# KiCad board panel.kicad_pcb (continued)
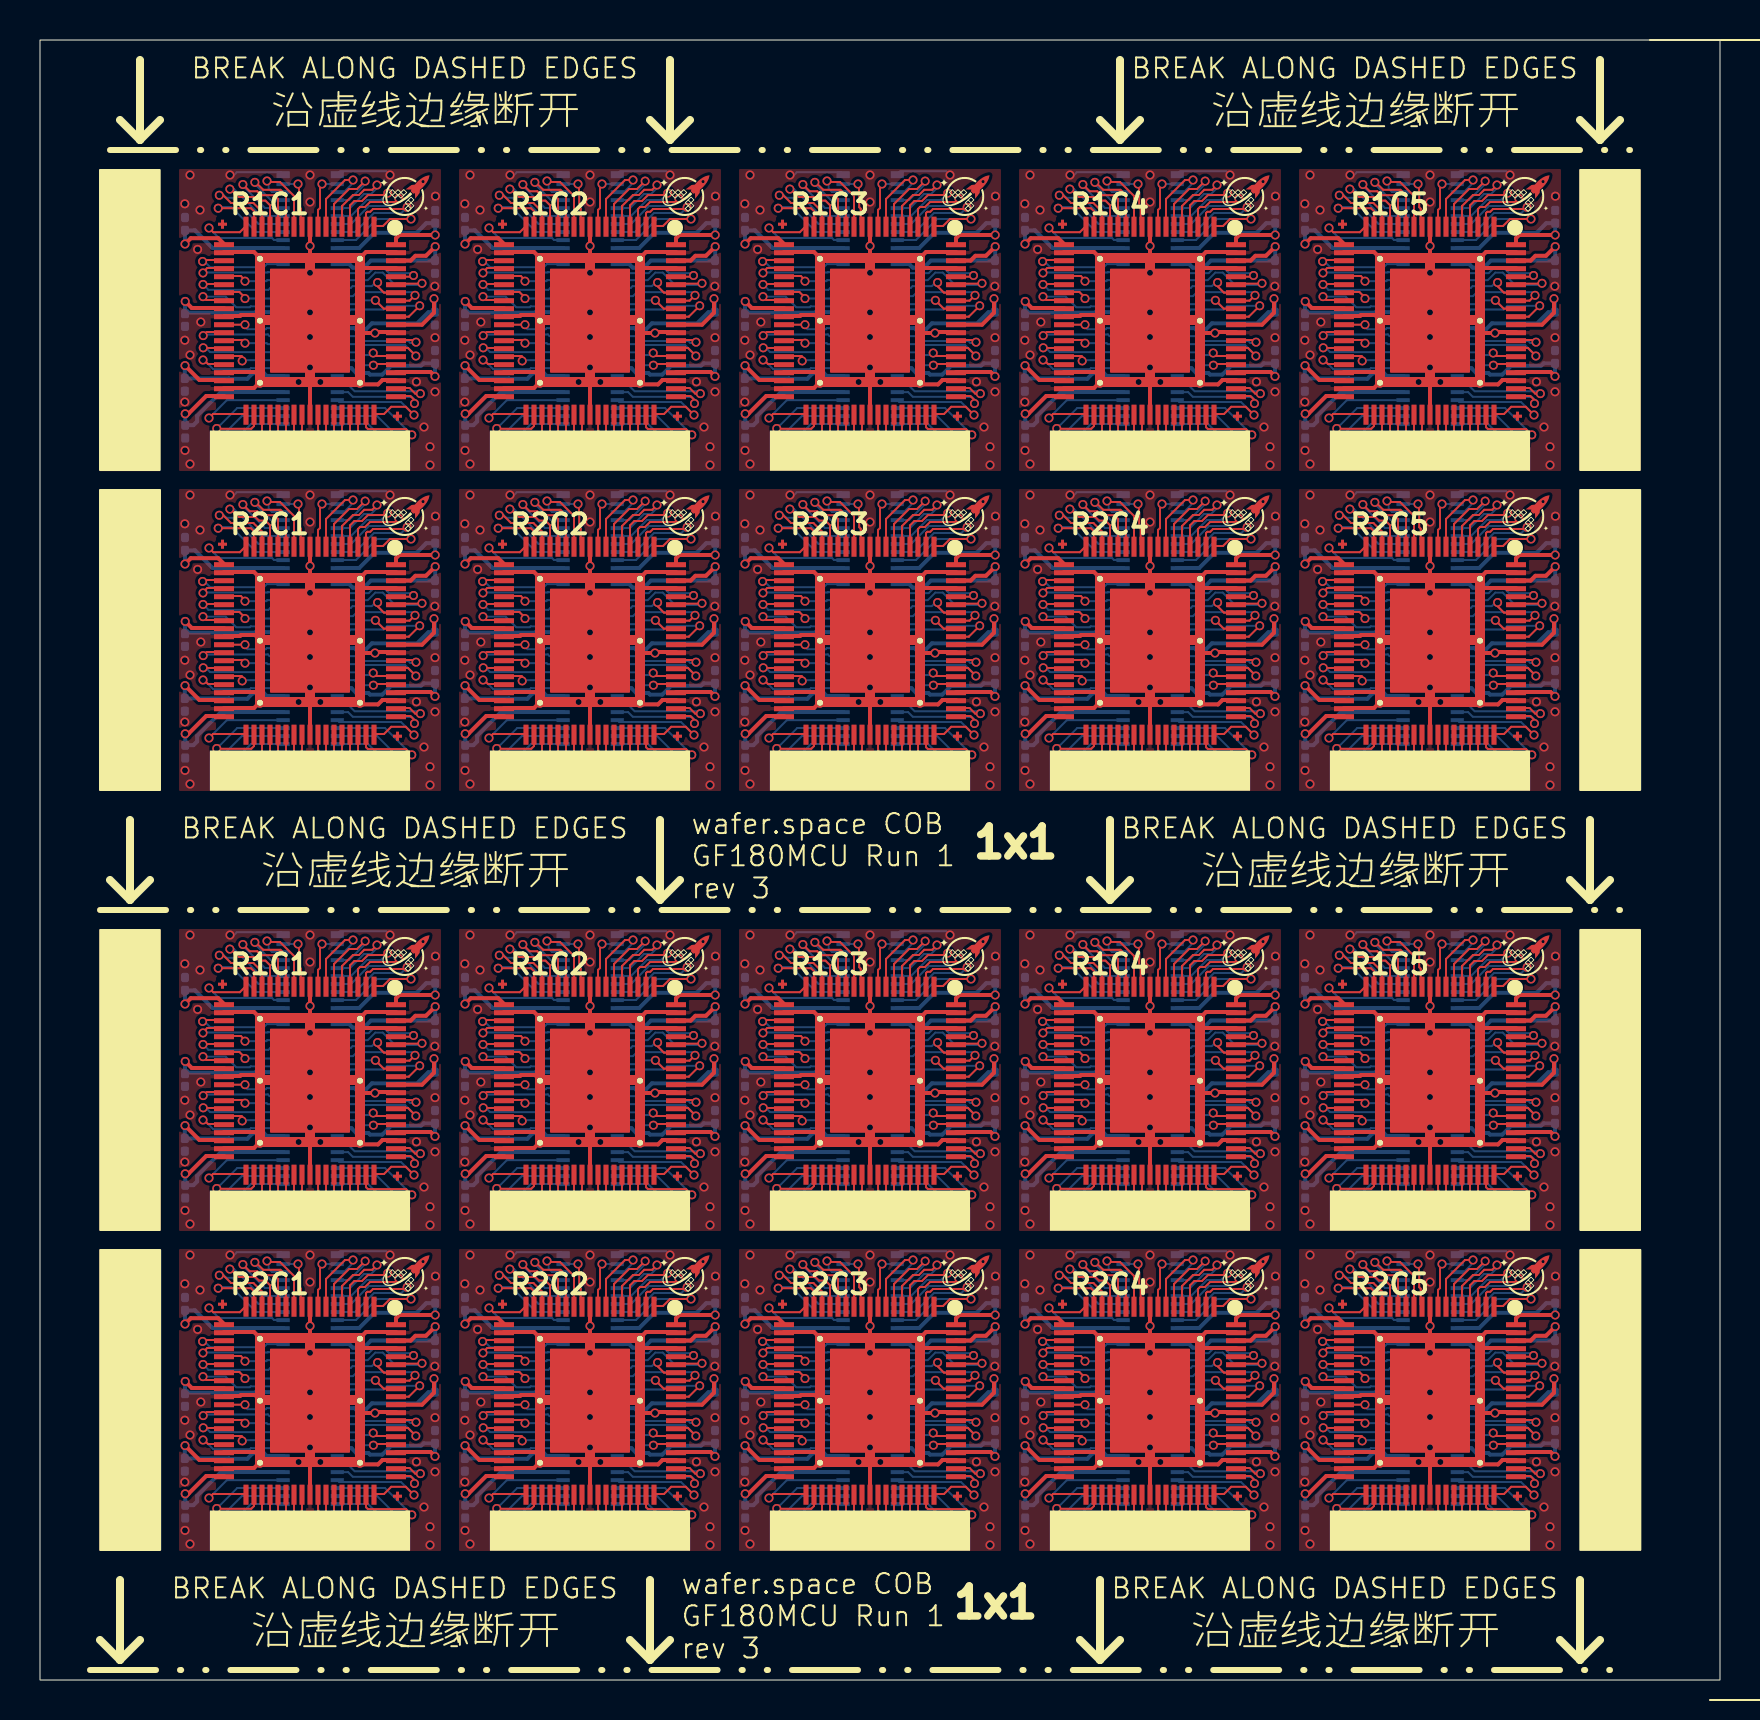
[diagram p0: board, top side]
## Routing (per net, layer and track width the routed paths; a pad name or vN(x,y) marks a point on that pad's centre or on a via; arc(x,y) is an arc through that point) (continued)
/pad_46: length 58.2
  Top w0.1: v1(70.15,7.2) 70.15,7.83 70.04,7.94 70.04,8.36 69.9,8.5 69.9,9.3 ; v1(28.15,7.2) 28.15,7.83 28.04,7.94 28.04,8.36 27.9,8.5 27.9,9.3 ; v1(70.15,23.2) 70.15,23.83 70.04,23.94 70.04,24.36 69.9,24.5 69.9,25.3 ; v1(70.15,61.2) 70.15,61.83 70.04,61.94 70.04,62.36 69.9,62.5 69.9,63.3 ; v1(56.15,45.2) 56.15,45.83 56.04,45.94 56.04,46.36 55.9,46.5 55.9,47.3 ; 13.9,9.3 13.9,8.5 14.04,8.36 14.04,7.94 14.15,7.83 v1(14.15,7.2) ; 55.9,63.3 55.9,62.5 56.04,62.36 56.04,61.94 56.15,61.83 v1(56.15,61.2) ; 41.9,25.3 41.9,24.5 42.04,24.36 42.04,23.94 42.15,23.83 v1(42.15,23.2) ; v1(28.15,45.2) 28.15,45.83 28.04,45.94 28.04,46.36 27.9,46.5 27.9,47.3 ; v1(70.15,45.2) 70.15,45.83 70.04,45.94 70.04,46.36 69.9,46.5 69.9,47.3 ; 41.9,47.3 41.9,46.5 42.04,46.36 42.04,45.94 42.15,45.83 v1(42.15,45.2) ; v1(14.15,23.2) 14.15,23.83 14.04,23.94 14.04,24.36 13.9,24.5 13.9,25.3 ; 55.9,9.3 55.9,8.5 56.04,8.36 56.04,7.94 56.15,7.83 v1(56.15,7.2) ; v1(28.15,61.2) 28.15,61.83 28.04,61.94 28.04,62.36 27.9,62.5 27.9,63.3 ; 13.9,47.3 13.9,46.5 14.04,46.36 14.04,45.94 14.15,45.83 v1(14.15,45.2) ; 41.9,9.3 41.9,8.5 42.04,8.36 42.04,7.94 42.15,7.83 v1(42.15,7.2) ; 13.9,63.3 13.9,62.5 14.04,62.36 14.04,61.94 14.15,61.83 v1(14.15,61.2) ; 55.9,25.3 55.9,24.5 56.04,24.36 56.04,23.94 56.15,23.83 v1(56.15,23.2) ; 41.9,63.3 41.9,62.5 42.04,62.36 42.04,61.94 42.15,61.83 v1(42.15,61.2) ; v1(28.15,23.2) 28.15,23.83 28.04,23.94 28.04,24.36 27.9,24.5 27.9,25.3
  Bottom w0.1: v1(14.15,45.2) 14.85,45.2 ; v1(70.15,61.2) 70.86,61.2 ; v1(28.15,45.2) 28.85,45.2 ; v1(56.15,45.2) 56.85,45.2 ; v1(14.15,7.2) 14.85,7.2 ; v1(56.15,61.2) 56.85,61.2 ; v1(42.15,7.2) 42.85,7.2 ; v1(42.15,45.2) 42.85,45.2 ; v1(70.15,23.2) 70.86,23.2 ; v1(70.15,45.2) 70.86,45.2 ; v1(42.15,61.2) 42.85,61.2 ; v1(28.15,23.2) 28.85,23.2 ; v1(56.15,23.2) 56.85,23.2 ; v1(42.15,23.2) 42.85,23.2 ; v1(28.15,61.2) 28.85,61.2 ; v1(14.15,23.2) 14.85,23.2 ; v1(70.15,7.2) 70.86,7.2 ; v1(28.15,7.2) 28.85,7.2 ; v1(14.15,61.2) 14.85,61.2 ; v1(56.15,7.2) 56.85,7.2
/pad_47: length 86.7
  Top w0.1: v1(57.8,23.05) 57.3,23.05 56.3,24.05 56.3,25.3 ; v1(15.8,61.05) 15.3,61.05 14.3,62.05 14.3,63.3 ; v1(29.8,45.05) 29.3,45.05 28.3,46.05 28.3,47.3 ; v1(71.8,45.05) 71.3,45.05 70.3,46.05 70.3,47.3 ; 28.3,9.3 28.3,8.05 29.3,7.05 v1(29.8,7.05) ; v1(43.8,61.05) 43.3,61.05 42.3,62.05 42.3,63.3 ; 28.3,25.3 28.3,24.05 29.3,23.05 v1(29.8,23.05) ; 42.3,9.3 42.3,8.05 43.3,7.05 v1(43.8,7.05) ; v1(71.8,61.05) 71.3,61.05 70.3,62.05 70.3,63.3 ; v1(71.8,7.05) 71.3,7.05 70.3,8.05 70.3,9.3 ; 56.3,47.3 56.3,46.05 57.3,45.05 v1(57.8,45.05) ; v1(43.8,23.05) 43.3,23.05 42.3,24.05 42.3,25.3 ; 56.3,63.3 56.3,62.05 57.3,61.05 v1(57.8,61.05) ; 28.3,63.3 28.3,62.05 29.3,61.05 v1(29.8,61.05) ; v1(15.8,23.05) 15.3,23.05 14.3,24.05 14.3,25.3 ; v1(15.8,7.05) 15.3,7.05 14.3,8.05 14.3,9.3 ; 56.3,9.3 56.3,8.05 57.3,7.05 v1(57.8,7.05) ; 42.3,47.3 42.3,46.05 43.3,45.05 v1(43.8,45.05) ; 14.3,47.3 14.3,46.05 15.3,45.05 v1(15.8,45.05) ; v1(71.8,23.05) 71.3,23.05 70.3,24.05 70.3,25.3
  Bottom w0.1: v1(29.8,23.05) 29.25,23.6 28.85,23.6 ; v1(43.8,7.05) 43.25,7.6 42.85,7.6 ; v1(15.8,23.05) 15.25,23.6 14.85,23.6 ; 14.85,7.6 15.25,7.6 v1(15.8,7.05) ; v1(71.8,45.05) 71.25,45.6 70.86,45.6 ; 70.86,61.6 71.25,61.6 v1(71.8,61.05) ; v1(29.8,61.05) 29.25,61.6 28.85,61.6 ; v1(57.8,23.05) 57.25,23.6 56.85,23.6 ; 56.85,45.6 57.25,45.6 v1(57.8,45.05) ; v1(43.8,61.05) 43.25,61.6 42.85,61.6 ; 28.85,45.6 29.25,45.6 v1(29.8,45.05) ; 70.86,23.6 71.25,23.6 v1(71.8,23.05) ; 42.85,23.6 43.25,23.6 v1(43.8,23.05) ; 56.85,61.6 57.25,61.6 v1(57.8,61.05) ; v1(15.8,61.05) 15.25,61.6 14.85,61.6 ; 56.85,7.6 57.25,7.6 v1(57.8,7.05) ; 28.85,7.6 29.25,7.6 v1(29.8,7.05) ; 14.85,45.6 15.25,45.6 v1(15.8,45.05) ; v1(43.8,45.05) 43.25,45.6 42.85,45.6 ; v1(71.8,7.05) 71.25,7.6 70.86,7.6
/pad_48: length 102.5
  Top w0.1: v1(72.42,23.27) 72.23,23.27 72.01,23.49 71.31,23.49 70.7,24.1 70.7,25.3 ; 56.7,63.3 56.7,62.1 57.31,61.49 58.01,61.49 58.23,61.27 v1(58.42,61.27) ; v1(72.42,45.27) 72.23,45.27 72.01,45.49 71.31,45.49 70.7,46.1 70.7,47.3 ; v1(30.42,61.27) 30.23,61.27 30.01,61.49 29.31,61.49 28.7,62.1 28.7,63.3 ; 28.7,47.3 28.7,46.1 29.31,45.49 30.01,45.49 30.23,45.27 v1(30.42,45.27) ; 14.7,47.3 14.7,46.1 15.31,45.49 16.01,45.49 16.23,45.27 v1(16.42,45.27) ; v1(72.42,61.27) 72.23,61.27 72.01,61.49 71.31,61.49 70.7,62.1 70.7,63.3 ; v1(30.42,7.27) 30.23,7.27 30.01,7.49 29.31,7.49 28.7,8.1 28.7,9.3 ; v1(58.42,45.27) 58.23,45.27 58.01,45.49 57.31,45.49 56.7,46.1 56.7,47.3 ; v1(16.42,61.27) 16.23,61.27 16.01,61.49 15.31,61.49 14.7,62.1 14.7,63.3 ; 28.7,25.3 28.7,24.1 29.31,23.49 30.01,23.49 30.23,23.27 v1(30.42,23.27) ; v1(44.42,23.27) 44.23,23.27 44.01,23.49 43.31,23.49 42.7,24.1 42.7,25.3 ; 42.7,9.3 42.7,8.1 43.31,7.49 44.01,7.49 44.23,7.27 v1(44.42,7.27) ; 56.7,25.3 56.7,24.1 57.31,23.49 58.01,23.49 58.23,23.27 v1(58.42,23.27) ; v1(16.42,23.27) 16.23,23.27 16.01,23.49 15.31,23.49 14.7,24.1 14.7,25.3 ; v1(16.42,7.27) 16.23,7.27 16.01,7.49 15.31,7.49 14.7,8.1 14.7,9.3 ; 56.7,9.3 56.7,8.1 57.31,7.49 58.01,7.49 58.23,7.27 v1(58.42,7.27) ; 42.7,63.3 42.7,62.1 43.31,61.49 44.01,61.49 44.23,61.27 v1(44.42,61.27) ; v1(44.42,45.27) 44.23,45.27 44.01,45.49 43.31,45.49 42.7,46.1 42.7,47.3 ; v1(72.42,7.27) 72.23,7.27 72.01,7.49 71.31,7.49 70.7,8.1 70.7,9.3
  Bottom w0.1: 28.85,62 29.6,62 30.33,61.27 v1(30.42,61.27) ; 28.85,8 29.6,8 30.33,7.27 v1(30.42,7.27) ; v1(72.42,23.27) 72.33,23.27 71.6,24 70.86,24 ; v1(58.42,7.27) 58.33,7.27 57.6,8 56.85,8 ; 42.85,62 43.6,62 44.33,61.27 v1(44.42,61.27) ; 14.85,62 15.6,62 16.33,61.27 v1(16.42,61.27) ; 42.85,8 43.6,8 44.33,7.27 v1(44.42,7.27) ; v1(72.42,61.27) 72.33,61.27 71.6,62 70.86,62 ; v1(72.42,7.27) 72.33,7.27 71.6,8 70.86,8 ; v1(30.42,23.27) 30.33,23.27 29.6,24 28.85,24 ; v1(16.42,45.27) 16.33,45.27 15.6,46 14.85,46 ; 56.85,62 57.6,62 58.33,61.27 v1(58.42,61.27) ; 28.85,46 29.6,46 30.33,45.27 v1(30.42,45.27) ; 56.85,46 57.6,46 58.33,45.27 v1(58.42,45.27) ; 14.85,8 15.6,8 16.33,7.27 v1(16.42,7.27) ; v1(72.42,45.27) 72.33,45.27 71.6,46 70.86,46 ; v1(44.42,23.27) 44.33,23.27 43.6,24 42.85,24 ; 56.85,24 57.6,24 58.33,23.27 v1(58.42,23.27) ; 14.85,24 15.6,24 16.33,23.27 v1(16.42,23.27) ; v1(44.42,45.27) 44.33,45.27 43.6,46 42.85,46
/pad_49: length 116.7
  Top w0.1: 71.1,25.3 71.1,24.07 71.41,23.76 72.65,23.76 72.9,23.51 v1(72.98,23.51) ; 71.1,47.3 71.1,46.07 71.41,45.76 72.65,45.76 72.9,45.51 v1(72.98,45.51) ; v1(16.98,45.51) 16.9,45.51 16.65,45.76 15.41,45.76 15.1,46.07 15.1,47.3 ; 29.1,25.3 29.1,24.07 29.41,23.76 30.65,23.76 30.9,23.51 v1(30.98,23.51) ; v1(30.98,61.51) 30.9,61.51 30.65,61.76 29.41,61.76 29.1,62.07 29.1,63.3 ; v1(16.98,23.51) 16.9,23.51 16.65,23.76 15.41,23.76 15.1,24.07 15.1,25.3 ; v1(30.98,45.51) 30.9,45.51 30.65,45.76 29.41,45.76 29.1,46.07 29.1,47.3 ; v1(58.98,45.51) 58.9,45.51 58.65,45.76 57.41,45.76 57.1,46.07 57.1,47.3 ; v1(30.98,7.51) 30.9,7.51 30.65,7.76 29.41,7.76 29.1,8.07 29.1,9.3 ; 43.1,9.3 43.1,8.07 43.41,7.76 44.65,7.76 44.9,7.51 v1(44.98,7.51) ; 15.1,63.3 15.1,62.07 15.41,61.76 16.65,61.76 16.9,61.51 v1(16.98,61.51) ; 43.1,63.3 43.1,62.07 43.41,61.76 44.65,61.76 44.9,61.51 v1(44.98,61.51) ; v1(72.98,7.51) 72.9,7.51 72.65,7.76 71.41,7.76 71.1,8.07 71.1,9.3 ; 15.1,9.3 15.1,8.07 15.41,7.76 16.65,7.76 16.9,7.51 v1(16.98,7.51) ; 71.1,63.3 71.1,62.07 71.41,61.76 72.65,61.76 72.9,61.51 v1(72.98,61.51) ; v1(58.98,23.51) 58.9,23.51 58.65,23.76 57.41,23.76 57.1,24.07 57.1,25.3 ; 57.1,63.3 57.1,62.07 57.41,61.76 58.65,61.76 58.9,61.51 v1(58.98,61.51) ; v1(44.98,45.51) 44.9,45.51 44.65,45.76 43.41,45.76 43.1,46.07 43.1,47.3 ; 57.1,9.3 57.1,8.07 57.41,7.76 58.65,7.76 58.9,7.51 v1(58.98,7.51) ; v1(44.98,23.51) 44.9,23.51 44.65,23.76 43.41,23.76 43.1,24.07 43.1,25.3
  Bottom w0.1: v1(72.98,7.51) 72.9,7.51 72.01,8.4 70.86,8.4 ; v1(30.98,61.51) 30.9,61.51 30.01,62.4 28.85,62.4 ; v1(58.98,45.51) 58.9,45.51 58.01,46.4 56.85,46.4 ; 28.85,24.4 30.01,24.4 30.9,23.51 v1(30.98,23.51) ; 14.85,8.4 16.01,8.4 16.9,7.51 v1(16.98,7.51) ; v1(30.98,7.51) 30.9,7.51 30.01,8.4 28.85,8.4 ; v1(16.98,61.51) 16.9,61.51 16.01,62.4 14.85,62.4 ; v1(58.98,23.51) 58.9,23.51 58.01,24.4 56.85,24.4 ; v1(58.98,7.51) 58.9,7.51 58.01,8.4 56.85,8.4 ; v1(16.98,45.51) 16.9,45.51 16.01,46.4 14.85,46.4 ; v1(16.98,23.51) 16.9,23.51 16.01,24.4 14.85,24.4 ; 56.85,62.4 58.01,62.4 58.9,61.51 v1(58.98,61.51) ; 28.85,46.4 30.01,46.4 30.9,45.51 v1(30.98,45.51) ; 42.85,8.4 44.01,8.4 44.9,7.51 v1(44.98,7.51) ; v1(72.98,23.51) 72.9,23.51 72.01,24.4 70.86,24.4 ; 42.85,46.4 44.01,46.4 44.9,45.51 v1(44.98,45.51) ; 70.86,62.4 72.01,62.4 72.9,61.51 v1(72.98,61.51) ; 42.85,24.4 44.01,24.4 44.9,23.51 v1(44.98,23.51) ; v1(72.98,45.51) 72.9,45.51 72.01,46.4 70.86,46.4 ; v1(44.98,61.51) 44.9,61.51 44.01,62.4 42.85,62.4
/pad_50: length 131.8
  Top w0.1: 71.5,47.3 71.5,46.15 71.63,46.02 73.18,46.02 73.5,45.71 v1(73.58,45.71) ; v1(17.58,7.71) 17.5,7.71 17.18,8.02 15.63,8.02 15.5,8.15 15.5,9.3 ; v1(59.58,45.71) 59.5,45.71 59.18,46.02 57.63,46.02 57.5,46.15 57.5,47.3 ; 71.5,63.3 71.5,62.15 71.63,62.02 73.18,62.02 73.5,61.71 v1(73.58,61.71) ; v1(59.58,7.71) 59.5,7.71 59.18,8.02 57.63,8.02 57.5,8.15 57.5,9.3 ; v1(45.58,61.71) 45.5,61.71 45.18,62.02 43.63,62.02 43.5,62.15 43.5,63.3 ; v1(45.58,23.71) 45.5,23.71 45.18,24.02 43.63,24.02 43.5,24.15 43.5,25.3 ; v1(17.58,23.71) 17.5,23.71 17.18,24.02 15.63,24.02 15.5,24.15 15.5,25.3 ; 29.5,9.3 29.5,8.15 29.63,8.02 31.18,8.02 31.5,7.71 v1(31.58,7.71) ; 29.5,63.3 29.5,62.15 29.63,62.02 31.18,62.02 31.5,61.71 v1(31.58,61.71) ; v1(17.58,61.71) 17.5,61.71 17.18,62.02 15.63,62.02 15.5,62.15 15.5,63.3 ; 43.5,47.3 43.5,46.15 43.63,46.02 45.18,46.02 45.5,45.71 v1(45.58,45.71) ; 57.5,25.3 57.5,24.15 57.63,24.02 59.18,24.02 59.5,23.71 v1(59.58,23.71) ; v1(73.58,7.71) 73.5,7.71 73.18,8.02 71.63,8.02 71.5,8.15 71.5,9.3 ; 71.5,25.3 71.5,24.15 71.63,24.02 73.18,24.02 73.5,23.71 v1(73.58,23.71) ; v1(31.58,23.71) 31.5,23.71 31.18,24.02 29.63,24.02 29.5,24.15 29.5,25.3 ; v1(17.58,45.71) 17.5,45.71 17.18,46.02 15.63,46.02 15.5,46.15 15.5,47.3 ; v1(45.58,7.71) 45.5,7.71 45.18,8.02 43.63,8.02 43.5,8.15 43.5,9.3 ; v1(59.58,61.71) 59.5,61.71 59.18,62.02 57.63,62.02 57.5,62.15 57.5,63.3 ; v1(31.58,45.71) 31.5,45.71 31.18,46.02 29.63,46.02 29.5,46.15 29.5,47.3
  Bottom w0.1: v1(59.58,61.71) 59.5,61.71 58.41,62.8 56.85,62.8 ; 42.85,62.8 44.41,62.8 45.5,61.71 v1(45.58,61.71) ; v1(73.58,7.71) 73.5,7.71 72.41,8.8 70.86,8.8 ; 14.85,62.8 16.41,62.8 17.5,61.71 v1(17.58,61.71) ; 42.85,24.8 44.41,24.8 45.5,23.71 v1(45.58,23.71) ; 28.85,8.8 30.41,8.8 31.5,7.71 v1(31.58,7.71) ; 56.85,8.8 58.41,8.8 59.5,7.71 v1(59.58,7.71) ; 28.85,24.8 30.41,24.8 31.5,23.71 v1(31.58,23.71) ; 56.85,24.8 58.41,24.8 59.5,23.71 v1(59.58,23.71) ; 42.85,8.8 44.41,8.8 45.5,7.71 v1(45.58,7.71) ; 56.85,46.8 58.41,46.8 59.5,45.71 v1(59.58,45.71) ; v1(73.58,61.71) 73.5,61.71 72.41,62.8 70.86,62.8 ; v1(17.58,23.71) 17.5,23.71 16.41,24.8 14.85,24.8 ; 28.85,62.8 30.41,62.8 31.5,61.71 v1(31.58,61.71) ; v1(45.58,45.71) 45.5,45.71 44.41,46.8 42.85,46.8 ; 70.86,24.8 72.41,24.8 73.5,23.71 v1(73.58,23.71) ; 28.85,46.8 30.41,46.8 31.5,45.71 v1(31.58,45.71) ; 14.85,46.8 16.41,46.8 17.5,45.71 v1(17.58,45.71) ; v1(73.58,45.71) 73.5,45.71 72.41,46.8 70.86,46.8 ; v1(17.58,7.71) 17.5,7.71 16.41,8.8 14.85,8.8
/pad_51: length 148.9
  Top w0.1: 15.9,63.3 15.9,62.35 15.97,62.28 17.77,62.28 18.18,61.87 v1(18.18,61.8) ; 29.9,25.3 29.9,24.35 29.97,24.28 31.77,24.28 32.18,23.87 v1(32.18,23.8) ; 57.9,25.3 57.9,24.35 57.97,24.28 59.77,24.28 60.18,23.87 v1(60.18,23.8) ; v1(74.18,23.8) 74.18,23.87 73.77,24.28 71.97,24.28 71.9,24.35 71.9,25.3 ; v1(32.18,61.8) 32.18,61.87 31.77,62.28 29.97,62.28 29.9,62.35 29.9,63.3 ; 43.9,9.3 43.9,8.35 43.97,8.28 45.77,8.28 46.18,7.87 v1(46.18,7.8) ; v1(46.18,61.8) 46.18,61.87 45.77,62.28 43.97,62.28 43.9,62.35 43.9,63.3 ; v1(74.18,7.8) 74.18,7.87 73.77,8.28 71.97,8.28 71.9,8.35 71.9,9.3 ; v1(18.18,23.8) 18.18,23.87 17.77,24.28 15.97,24.28 15.9,24.35 15.9,25.3 ; v1(60.18,61.8) 60.18,61.87 59.77,62.28 57.97,62.28 57.9,62.35 57.9,63.3 ; 29.9,47.3 29.9,46.35 29.97,46.28 31.77,46.28 32.18,45.87 v1(32.18,45.8) ; v1(60.18,7.8) 60.18,7.87 59.77,8.28 57.97,8.28 57.9,8.35 57.9,9.3 ; v1(60.18,45.8) 60.18,45.87 59.77,46.28 57.97,46.28 57.9,46.35 57.9,47.3 ; 15.9,9.3 15.9,8.35 15.97,8.28 17.77,8.28 18.18,7.87 v1(18.18,7.8) ; v1(18.18,45.8) 18.18,45.87 17.77,46.28 15.97,46.28 15.9,46.35 15.9,47.3 ; v1(74.18,45.8) 74.18,45.87 73.77,46.28 71.97,46.28 71.9,46.35 71.9,47.3 ; v1(46.18,23.8) 46.18,23.87 45.77,24.28 43.97,24.28 43.9,24.35 43.9,25.3 ; v1(32.18,7.8) 32.18,7.87 31.77,8.28 29.97,8.28 29.9,8.35 29.9,9.3 ; 43.9,47.3 43.9,46.35 43.97,46.28 45.77,46.28 46.18,45.87 v1(46.18,45.8) ; 71.9,63.3 71.9,62.35 71.97,62.28 73.77,62.28 74.18,61.87 v1(74.18,61.8)
  Bottom w0.1: 14.85,47.2 16.85,47.2 18.18,45.87 v1(18.18,45.8) ; v1(46.18,45.8) 46.18,45.87 44.85,47.2 42.85,47.2 ; v1(74.18,23.8) 74.18,23.87 72.85,25.2 70.86,25.2 ; 42.85,63.2 44.85,63.2 46.18,61.87 v1(46.18,61.8) ; v1(32.18,23.8) 32.18,23.87 30.85,25.2 28.85,25.2 ; v1(60.18,7.8) 60.18,7.87 58.85,9.2 56.85,9.2 ; 56.85,25.2 58.85,25.2 60.18,23.87 v1(60.18,23.8) ; v1(60.18,61.8) 60.18,61.87 58.85,63.2 56.85,63.2 ; v1(60.18,45.8) 60.18,45.87 58.85,47.2 56.85,47.2 ; 28.85,63.2 30.85,63.2 32.18,61.87 v1(32.18,61.8) ; 14.85,25.2 16.85,25.2 18.18,23.87 v1(18.18,23.8) ; v1(32.18,7.8) 32.18,7.87 30.85,9.2 28.85,9.2 ; v1(46.18,7.8) 46.18,7.87 44.85,9.2 42.85,9.2 ; 14.85,63.2 16.85,63.2 18.18,61.87 v1(18.18,61.8) ; v1(18.18,7.8) 18.18,7.87 16.85,9.2 14.85,9.2 ; 28.85,47.2 30.85,47.2 32.18,45.87 v1(32.18,45.8) ; v1(74.18,7.8) 74.18,7.87 72.85,9.2 70.86,9.2 ; 42.85,25.2 44.85,25.2 46.18,23.87 v1(46.18,23.8) ; v1(74.18,45.8) 74.18,45.87 72.85,47.2 70.86,47.2 ; v1(74.18,61.8) 74.18,61.87 72.85,63.2 70.86,63.2
/pad_52: length 147.9
  Top w0.1: 72.3,25.3 72.3,24.64 72.4,24.54 74.3,24.54 v1(74.59,24.26) ; 30.3,47.3 30.3,46.64 30.4,46.54 32.3,46.54 v1(32.59,46.26) ; v1(46.59,24.26) 46.3,24.54 44.4,24.54 44.3,24.64 44.3,25.3 ; 16.3,63.3 16.3,62.64 16.4,62.54 18.3,62.54 v1(18.59,62.26) ; 16.3,25.3 16.3,24.64 16.4,24.54 18.3,24.54 v1(18.59,24.26) ; 44.3,47.3 44.3,46.64 44.4,46.54 46.3,46.54 v1(46.59,46.26) ; 58.3,25.3 58.3,24.64 58.4,24.54 60.3,24.54 v1(60.59,24.26) ; 58.3,63.3 58.3,62.64 58.4,62.54 60.3,62.54 v1(60.59,62.26) ; 58.3,9.3 58.3,8.64 58.4,8.54 60.3,8.54 v1(60.59,8.26) ; v1(46.59,8.26) 46.3,8.54 44.4,8.54 44.3,8.64 44.3,9.3 ; v1(32.59,62.26) 32.3,62.54 30.4,62.54 30.3,62.64 30.3,63.3 ; v1(32.59,8.26) 32.3,8.54 30.4,8.54 30.3,8.64 30.3,9.3 ; v1(46.59,62.26) 46.3,62.54 44.4,62.54 44.3,62.64 44.3,63.3 ; v1(18.59,8.26) 18.3,8.54 16.4,8.54 16.3,8.64 16.3,9.3 ; v1(60.59,46.26) 60.3,46.54 58.4,46.54 58.3,46.64 58.3,47.3 ; 72.3,63.3 72.3,62.64 72.4,62.54 74.3,62.54 v1(74.59,62.26) ; v1(18.59,46.26) 18.3,46.54 16.4,46.54 16.3,46.64 16.3,47.3 ; 72.3,47.3 72.3,46.64 72.4,46.54 74.3,46.54 v1(74.59,46.26) ; 30.3,25.3 30.3,24.64 30.4,24.54 32.3,24.54 v1(32.59,24.26) ; v1(74.59,8.26) 74.3,8.54 72.4,8.54 72.3,8.64 72.3,9.3
  Bottom w0.1: v1(60.59,24.26) 59.25,25.6 56.85,25.6 ; 14.85,9.6 17.25,9.6 v1(18.59,8.26) ; 42.85,9.6 45.25,9.6 v1(46.59,8.26) ; v1(60.59,46.26) 59.25,47.6 56.85,47.6 ; 70.86,63.6 73.25,63.6 v1(74.59,62.26) ; 28.85,25.6 31.25,25.6 v1(32.59,24.26) ; 70.86,9.6 73.25,9.6 v1(74.59,8.26) ; v1(60.59,62.26) 59.25,63.6 56.85,63.6 ; v1(18.59,24.26) 17.25,25.6 14.85,25.6 ; v1(46.59,24.26) 45.25,25.6 42.85,25.6 ; v1(74.59,46.26) 73.25,47.6 70.86,47.6 ; v1(18.59,46.26) 17.25,47.6 14.85,47.6 ; 28.85,9.6 31.25,9.6 v1(32.59,8.26) ; v1(74.59,24.26) 73.25,25.6 70.86,25.6 ; v1(32.59,46.26) 31.25,47.6 28.85,47.6 ; v1(46.59,46.26) 45.25,47.6 42.85,47.6 ; v1(60.59,8.26) 59.25,9.6 56.85,9.6 ; 14.85,63.6 17.25,63.6 v1(18.59,62.26) ; 28.85,63.6 31.25,63.6 v1(32.59,62.26) ; 42.85,63.6 45.25,63.6 v1(46.59,62.26)
/pad_53: length 129.3
  Top w0.1: 30.7,9.3 31.2,9.3 31.56,9.66 32.29,9.66 v1(32.7,9.25) ; v1(74.7,25.25) 74.29,25.66 73.56,25.66 73.2,25.3 72.7,25.3 ; 58.7,47.3 59.2,47.3 59.56,47.66 60.29,47.66 v1(60.7,47.25) ; v1(74.7,9.25) 74.29,9.66 73.56,9.66 73.2,9.3 72.7,9.3 ; 44.7,47.3 45.2,47.3 45.56,47.66 46.29,47.66 v1(46.7,47.25) ; 16.7,9.3 17.2,9.3 17.56,9.66 18.29,9.66 v1(18.7,9.25) ; v1(46.7,9.25) 46.29,9.66 45.56,9.66 45.2,9.3 44.7,9.3 ; v1(32.7,25.25) 32.29,25.66 31.56,25.66 31.2,25.3 30.7,25.3 ; 16.7,47.3 17.2,47.3 17.56,47.66 18.29,47.66 v1(18.7,47.25) ; 58.7,9.3 59.2,9.3 59.56,9.66 60.29,9.66 v1(60.7,9.25) ; 16.7,63.3 17.2,63.3 17.56,63.66 18.29,63.66 v1(18.7,63.25) ; 72.7,47.3 73.2,47.3 73.56,47.66 74.29,47.66 v1(74.7,47.25) ; v1(32.7,47.25) 32.29,47.66 31.56,47.66 31.2,47.3 30.7,47.3 ; 58.7,63.3 59.2,63.3 59.56,63.66 60.29,63.66 v1(60.7,63.25) ; v1(46.7,63.25) 46.29,63.66 45.56,63.66 45.2,63.3 44.7,63.3 ; 44.7,25.3 45.2,25.3 45.56,25.66 46.29,25.66 v1(46.7,25.25) ; 72.7,63.3 73.2,63.3 73.56,63.66 74.29,63.66 v1(74.7,63.25) ; v1(18.7,25.25) 18.29,25.66 17.56,25.66 17.2,25.3 16.7,25.3 ; 58.7,25.3 59.2,25.3 59.56,25.66 60.29,25.66 v1(60.7,25.25) ; v1(32.7,63.25) 32.29,63.66 31.56,63.66 31.2,63.3 30.7,63.3
  Bottom w0.1: U119#2.28 70.96,9.9 74.05,9.9 v1(74.7,9.25) ; U117#2.28 56.96,9.9 60.05,9.9 v1(60.7,9.25) ; U107.28 56.96,63.9 60.05,63.9 v1(60.7,63.25) ; v1(18.7,63.25) 18.05,63.9 14.96,63.9 U101#2.28 ; U109.28 70.96,25.9 74.05,25.9 v1(74.7,25.25) ; v1(32.7,63.25) 32.05,63.9 28.96,63.9 U103#2.28 ; v1(46.7,47.25) 46.05,47.9 42.96,47.9 U115.28 ; v1(60.7,47.25) 60.05,47.9 56.96,47.9 U117.28 ; v1(46.7,63.25) 46.05,63.9 42.96,63.9 U105.28 ; U103.28 28.96,25.9 32.05,25.9 v1(32.7,25.25) ; v1(60.7,25.25) 60.05,25.9 56.96,25.9 U107#2.28 ; U119.28 70.96,47.9 74.05,47.9 v1(74.7,47.25) ; v1(18.7,9.25) 18.05,9.9 14.96,9.9 U111.28 ; U105#2.28 42.96,25.9 46.05,25.9 v1(46.7,25.25) ; U109#2.28 70.96,63.9 74.05,63.9 v1(74.7,63.25) ; v1(18.7,25.25) 18.05,25.9 14.96,25.9 U101.28 ; U113#2.28 28.96,47.9 32.05,47.9 v1(32.7,47.25) ; U115#2.28 42.96,9.9 46.05,9.9 v1(46.7,9.25) ; v1(32.7,9.25) 32.05,9.9 28.96,9.9 U113.28 ; U111#2.28 14.96,47.9 18.05,47.9 v1(18.7,47.25)
/pad_54: length 107.9
  Top w0.1: v1(32.72,47.82) 32.71,47.83 32.71,48.01 32.52,48.2 31.8,48.2 ; 59.8,64.2 60.52,64.2 60.71,64.01 60.71,63.83 v1(60.72,63.82) ; 73.8,64.2 74.52,64.2 74.71,64.01 74.71,63.83 v1(74.72,63.82) ; 73.8,26.2 74.52,26.2 74.71,26.01 74.71,25.83 v1(74.72,25.82) ; 73.8,48.2 74.52,48.2 74.71,48.01 74.71,47.83 v1(74.72,47.82) ; 59.8,26.2 60.52,26.2 60.71,26.01 60.71,25.83 v1(60.72,25.82) ; 45.8,64.2 46.52,64.2 46.71,64.01 46.71,63.83 v1(46.72,63.82) ; 45.8,10.2 46.52,10.2 46.71,10.01 46.71,9.83 v1(46.72,9.82) ; 17.8,48.2 18.52,48.2 18.71,48.01 18.71,47.83 v1(18.72,47.82) ; 17.8,26.2 18.52,26.2 18.71,26.01 18.71,25.83 v1(18.72,25.82) ; v1(74.72,9.82) 74.71,9.83 74.71,10.01 74.52,10.2 73.8,10.2 ; 45.8,48.2 46.52,48.2 46.71,48.01 46.71,47.83 v1(46.72,47.82) ; v1(32.72,9.82) 32.71,9.83 32.71,10.01 32.52,10.2 31.8,10.2 ; 59.8,48.2 60.52,48.2 60.71,48.01 60.71,47.83 v1(60.72,47.82) ; 59.8,10.2 60.52,10.2 60.71,10.01 60.71,9.83 v1(60.72,9.82) ; 31.8,64.2 32.52,64.2 32.71,64.01 32.71,63.83 v1(32.72,63.82) ; v1(46.72,25.82) 46.71,25.83 46.71,26.01 46.52,26.2 45.8,26.2 ; v1(18.72,9.82) 18.71,9.83 18.71,10.01 18.52,10.2 17.8,10.2 ; 17.8,64.2 18.52,64.2 18.71,64.01 18.71,63.83 v1(18.72,63.82) ; 31.8,26.2 32.52,26.2 32.71,26.01 32.71,25.83 v1(32.72,25.82)
  Bottom w0.1: v1(18.72,9.82) 18.71,9.83 18.71,10.04 18.6,10.15 18.17,10.15 18.16,10.16 15.64,10.16 15.4,10.39 14.87,10.39 ; v1(46.72,9.82) 46.71,9.83 46.71,10.04 46.6,10.15 46.17,10.15 46.16,10.16 43.64,10.16 43.4,10.39 42.87,10.39 ; 28.87,26.39 29.4,26.39 29.64,26.16 32.16,26.16 32.17,26.15 32.6,26.15 32.71,26.04 32.71,25.83 v1(32.72,25.82) ; U107.27 57.4,64.4 57.64,64.16 60.16,64.16 60.17,64.15 60.6,64.15 60.71,64.04 60.71,63.83 v1(60.72,63.82) ; v1(60.72,25.82) 60.71,25.83 60.71,26.04 60.6,26.15 60.17,26.15 60.16,26.16 57.64,26.16 57.4,26.39 56.87,26.39 ; v1(18.72,47.82) 18.71,47.83 18.71,48.04 18.6,48.15 18.17,48.15 18.16,48.16 15.64,48.16 15.4,48.39 14.87,48.39 ; v1(74.72,63.82) 74.71,63.83 74.71,64.04 74.6,64.15 74.17,64.15 74.16,64.16 71.64,64.16 71.41,64.4 U109#2.27 ; v1(32.72,9.82) 32.71,9.83 32.71,10.04 32.6,10.15 32.17,10.15 32.16,10.16 29.64,10.16 29.4,10.39 28.87,10.39 ; 42.87,48.39 43.4,48.39 43.64,48.16 46.16,48.16 46.17,48.15 46.6,48.15 46.71,48.04 46.71,47.83 v1(46.72,47.82) ; v1(32.72,47.82) 32.71,47.83 32.71,48.04 32.6,48.15 32.17,48.15 32.16,48.16 29.64,48.16 29.4,48.39 28.87,48.39 ; v1(32.72,63.82) 32.71,63.83 32.71,64.04 32.6,64.15 32.17,64.15 32.16,64.16 29.64,64.16 29.4,64.4 U103#2.27 ; 42.87,26.39 43.4,26.39 43.64,26.16 46.16,26.16 46.17,26.15 46.6,26.15 46.71,26.04 46.71,25.83 v1(46.72,25.82) ; v1(74.72,47.82) 74.71,47.83 74.71,48.04 74.6,48.15 74.17,48.15 74.16,48.16 71.64,48.16 71.41,48.39 70.87,48.39 ; U105.27 43.4,64.4 43.64,64.16 46.16,64.16 46.17,64.15 46.6,64.15 46.71,64.04 46.71,63.83 v1(46.72,63.82) ; 56.87,48.39 57.4,48.39 57.64,48.16 60.16,48.16 60.17,48.15 60.6,48.15 60.71,48.04 60.71,47.83 v1(60.72,47.82) ; 70.87,26.39 71.41,26.39 71.64,26.16 74.16,26.16 74.17,26.15 74.6,26.15 74.71,26.04 74.71,25.83 v1(74.72,25.82) ; U101#2.27 15.4,64.4 15.64,64.16 18.16,64.16 18.17,64.15 18.6,64.15 18.71,64.04 18.71,63.83 v1(18.72,63.82) ; v1(18.72,25.82) 18.71,25.83 18.71,26.04 18.6,26.15 18.17,26.15 18.16,26.16 15.64,26.16 15.4,26.39 14.87,26.39 ; 70.87,10.39 71.41,10.39 71.64,10.16 74.16,10.16 74.17,10.15 74.6,10.15 74.71,10.04 74.71,9.83 v1(74.72,9.82) ; v1(60.72,9.82) 60.71,9.83 60.71,10.04 60.6,10.15 60.17,10.15 60.16,10.16 57.64,10.16 57.4,10.39 56.87,10.39
/pad_55: length 113.7
  Top w0.1: 73.8,10.6 74.48,10.6 74.76,10.32 v1(75.02,10.32) ; 59.8,26.6 60.48,26.6 60.76,26.32 v1(61.02,26.32) ; 31.8,10.6 32.48,10.6 32.76,10.32 v1(33.02,10.32) ; 45.8,48.6 46.48,48.6 46.76,48.32 v1(47.02,48.32) ; v1(33.02,64.32) 32.76,64.32 32.48,64.6 31.8,64.6 ; v1(47.02,10.32) 46.76,10.32 46.48,10.6 45.8,10.6 ; v1(75.02,48.32) 74.76,48.32 74.48,48.6 73.8,48.6 ; 73.8,64.6 74.48,64.6 74.76,64.32 v1(75.02,64.32) ; 59.8,64.6 60.48,64.6 60.76,64.32 v1(61.02,64.32) ; v1(19.02,48.32) 18.76,48.32 18.48,48.6 17.8,48.6 ; 59.8,48.6 60.48,48.6 60.76,48.32 v1(61.02,48.32) ; v1(19.02,64.32) 18.76,64.32 18.48,64.6 17.8,64.6 ; 73.8,26.6 74.48,26.6 74.76,26.32 v1(75.02,26.32) ; 17.8,10.6 18.48,10.6 18.76,10.32 v1(19.02,10.32) ; v1(47.02,64.32) 46.76,64.32 46.48,64.6 45.8,64.6 ; 31.8,48.6 32.48,48.6 32.76,48.32 v1(33.02,48.32) ; 59.8,10.6 60.48,10.6 60.76,10.32 v1(61.02,10.32) ; 45.8,26.6 46.48,26.6 46.76,26.32 v1(47.02,26.32) ; v1(33.02,26.32) 32.76,26.32 32.48,26.6 31.8,26.6 ; 17.8,26.6 18.48,26.6 18.76,26.32 v1(19.02,26.32)
  Bottom w0.1: U105#2.26 43.37,26.8 43.73,26.44 46.84,26.44 46.95,26.32 v1(47.02,26.32) ; v1(19.02,48.32) 18.95,48.32 18.84,48.44 15.73,48.44 15.37,48.8 U111#2.26 ; v1(61.02,48.32) 60.95,48.32 60.84,48.44 57.73,48.44 57.37,48.8 U117.26 ; v1(33.02,10.32) 32.95,10.32 32.84,10.44 29.73,10.44 29.37,10.8 U113.26 ; U107.26 57.37,64.8 57.73,64.44 60.84,64.44 60.95,64.32 v1(61.02,64.32) ; U107#2.26 57.37,26.8 57.73,26.44 60.84,26.44 60.95,26.32 v1(61.02,26.32) ; v1(47.02,48.32) 46.95,48.32 46.84,48.44 43.73,48.44 43.37,48.8 U115.26 ; v1(47.02,64.32) 46.95,64.32 46.84,64.44 43.73,64.44 43.37,64.8 U105.26 ; U109.26 71.37,26.8 71.73,26.44 74.84,26.44 74.95,26.32 v1(75.02,26.32) ; v1(33.02,48.32) 32.95,48.32 32.84,48.44 29.73,48.44 29.37,48.8 U113#2.26 ; U103.26 29.37,26.8 29.73,26.44 32.84,26.44 32.95,26.32 v1(33.02,26.32) ; U119#2.26 71.37,10.8 71.73,10.44 74.84,10.44 74.95,10.32 v1(75.02,10.32) ; v1(33.02,64.32) 32.95,64.32 32.84,64.44 29.73,64.44 29.37,64.8 U103#2.26 ; U117#2.26 57.37,10.8 57.73,10.44 60.84,10.44 60.95,10.32 v1(61.02,10.32) ; U119.26 71.37,48.8 71.73,48.44 74.84,48.44 74.95,48.32 v1(75.02,48.32) ; U111.26 15.37,10.8 15.73,10.44 18.84,10.44 18.95,10.32 v1(19.02,10.32) ; U101.26 15.37,26.8 15.73,26.44 18.84,26.44 18.95,26.32 v1(19.02,26.32) ; v1(19.02,64.32) 18.95,64.32 18.84,64.44 15.73,64.44 15.37,64.8 U101#2.26 ; U115#2.26 43.37,10.8 43.73,10.44 46.84,10.44 46.95,10.32 v1(47.02,10.32) ; v1(75.02,64.32) 74.95,64.32 74.84,64.44 71.73,64.44 71.37,64.8 U109#2.26
/pad_58: length 61.3
  Top w0.1: v1(44.67,49.74) 44.73,49.8 45.8,49.8 ; v1(44.67,27.74) 44.73,27.8 45.8,27.8 ; v1(58.67,11.74) 58.73,11.8 59.8,11.8 ; 31.8,11.8 30.73,11.8 v1(30.67,11.74) ; v1(16.67,11.74) 16.73,11.8 17.8,11.8 ; 17.8,49.8 16.73,49.8 v1(16.67,49.74) ; 59.8,65.8 58.73,65.8 v1(58.67,65.74) ; v1(30.67,27.74) 30.73,27.8 31.8,27.8 ; 59.8,27.8 58.73,27.8 v1(58.67,27.74) ; 73.8,27.8 72.73,27.8 v1(72.67,27.74) ; 17.8,65.8 16.73,65.8 v1(16.67,65.74) ; 31.8,49.8 30.73,49.8 v1(30.67,49.74) ; 73.8,11.8 72.73,11.8 v1(72.67,11.74) ; 73.8,49.8 72.73,49.8 v1(72.67,49.74) ; v1(58.67,49.74) 58.73,49.8 59.8,49.8 ; 45.8,11.8 44.73,11.8 v1(44.67,11.74) ; v1(30.67,65.74) 30.73,65.8 31.8,65.8 ; v1(44.67,65.74) 44.73,65.8 45.8,65.8 ; 73.8,65.8 72.73,65.8 v1(72.67,65.74) ; v1(16.67,27.74) 16.73,27.8 17.8,27.8
  Bottom w0.1: v1(72.67,11.74) 71.97,11.74 71.71,12 U119#2.23 ; U109.23 71.71,28 71.97,27.74 v1(72.67,27.74) ; v1(30.67,11.74) 29.96,11.74 29.71,12 U113.23 ; U117.23 57.71,50 57.96,49.74 v1(58.67,49.74) ; U115.23 43.71,50 43.96,49.74 v1(44.67,49.74) ; U101#2.23 15.71,66 15.96,65.74 v1(16.67,65.74) ; v1(16.67,27.74) 15.96,27.74 15.71,28 U101.23 ; U111#2.23 15.71,50 15.96,49.74 v1(16.67,49.74) ; U103#2.23 29.71,66 29.96,65.74 v1(30.67,65.74) ; v1(72.67,49.74) 71.97,49.74 71.71,50 U119.23 ; v1(30.67,49.74) 29.96,49.74 29.71,50 U113#2.23 ; U109#2.23 71.71,66 71.97,65.74 v1(72.67,65.74) ; U103.23 29.71,28 29.96,27.74 v1(30.67,27.74) ; U105.23 43.71,66 43.96,65.74 v1(44.67,65.74) ; U115#2.23 43.71,12 43.96,11.74 v1(44.67,11.74) ; U107.23 57.71,66 57.96,65.74 v1(58.67,65.74) ; v1(58.67,27.74) 57.96,27.74 57.71,28 U107#2.23 ; v1(44.67,27.74) 43.96,27.74 43.71,28 U105#2.23 ; U117#2.23 57.71,12 57.96,11.74 v1(58.67,11.74) ; U111.23 15.71,12 15.96,11.74 v1(16.67,11.74)
/pad_59: length 62.3
  Top w0.1: v1(58.66,50.35) 58.66,50.33 58.79,50.2 59.8,50.2 ; v1(16.66,28.35) 16.66,28.33 16.79,28.2 17.8,28.2 ; v1(58.66,12.35) 58.66,12.33 58.79,12.2 59.8,12.2 ; 45.8,50.2 44.79,50.2 44.66,50.33 v1(44.66,50.35) ; 31.8,50.2 30.79,50.2 30.66,50.33 v1(30.66,50.35) ; 45.8,12.2 44.79,12.2 44.66,12.33 v1(44.66,12.35) ; 59.8,66.2 58.79,66.2 58.66,66.33 v1(58.66,66.35) ; v1(30.66,66.35) 30.66,66.33 30.79,66.2 31.8,66.2 ; 45.8,28.2 44.79,28.2 44.66,28.33 v1(44.66,28.35) ; 17.8,12.2 16.79,12.2 16.66,12.33 v1(16.66,12.35) ; 59.8,28.2 58.79,28.2 58.66,28.33 v1(58.66,28.35) ; v1(16.66,66.35) 16.66,66.33 16.79,66.2 17.8,66.2 ; v1(44.66,66.35) 44.66,66.33 44.79,66.2 45.8,66.2 ; v1(30.66,28.35) 30.66,28.33 30.79,28.2 31.8,28.2 ; 73.8,50.2 72.78,50.2 72.66,50.33 v1(72.66,50.35) ; 17.8,50.2 16.79,50.2 16.66,50.33 v1(16.66,50.35) ; 31.8,12.2 30.79,12.2 30.66,12.33 v1(30.66,12.35) ; v1(72.66,12.35) 72.66,12.33 72.78,12.2 73.8,12.2 ; 73.8,66.2 72.78,66.2 72.66,66.33 v1(72.66,66.35) ; v1(72.66,28.35) 72.66,28.33 72.78,28.2 73.8,28.2